# Altium PCB top_1.PcbDoc (part 3 of 5)
Units mil, origin at the board's own origin, x right, y up, seen from the top; angles counter-clockwise.
Board outline 12029.02 x 5828 mil, 2 copper layers (Top Layer, Bottom Layer); 775 components, 466 nets, 1984 pads, 387 vias.
Unrouted connection lines stored in the file: 279.
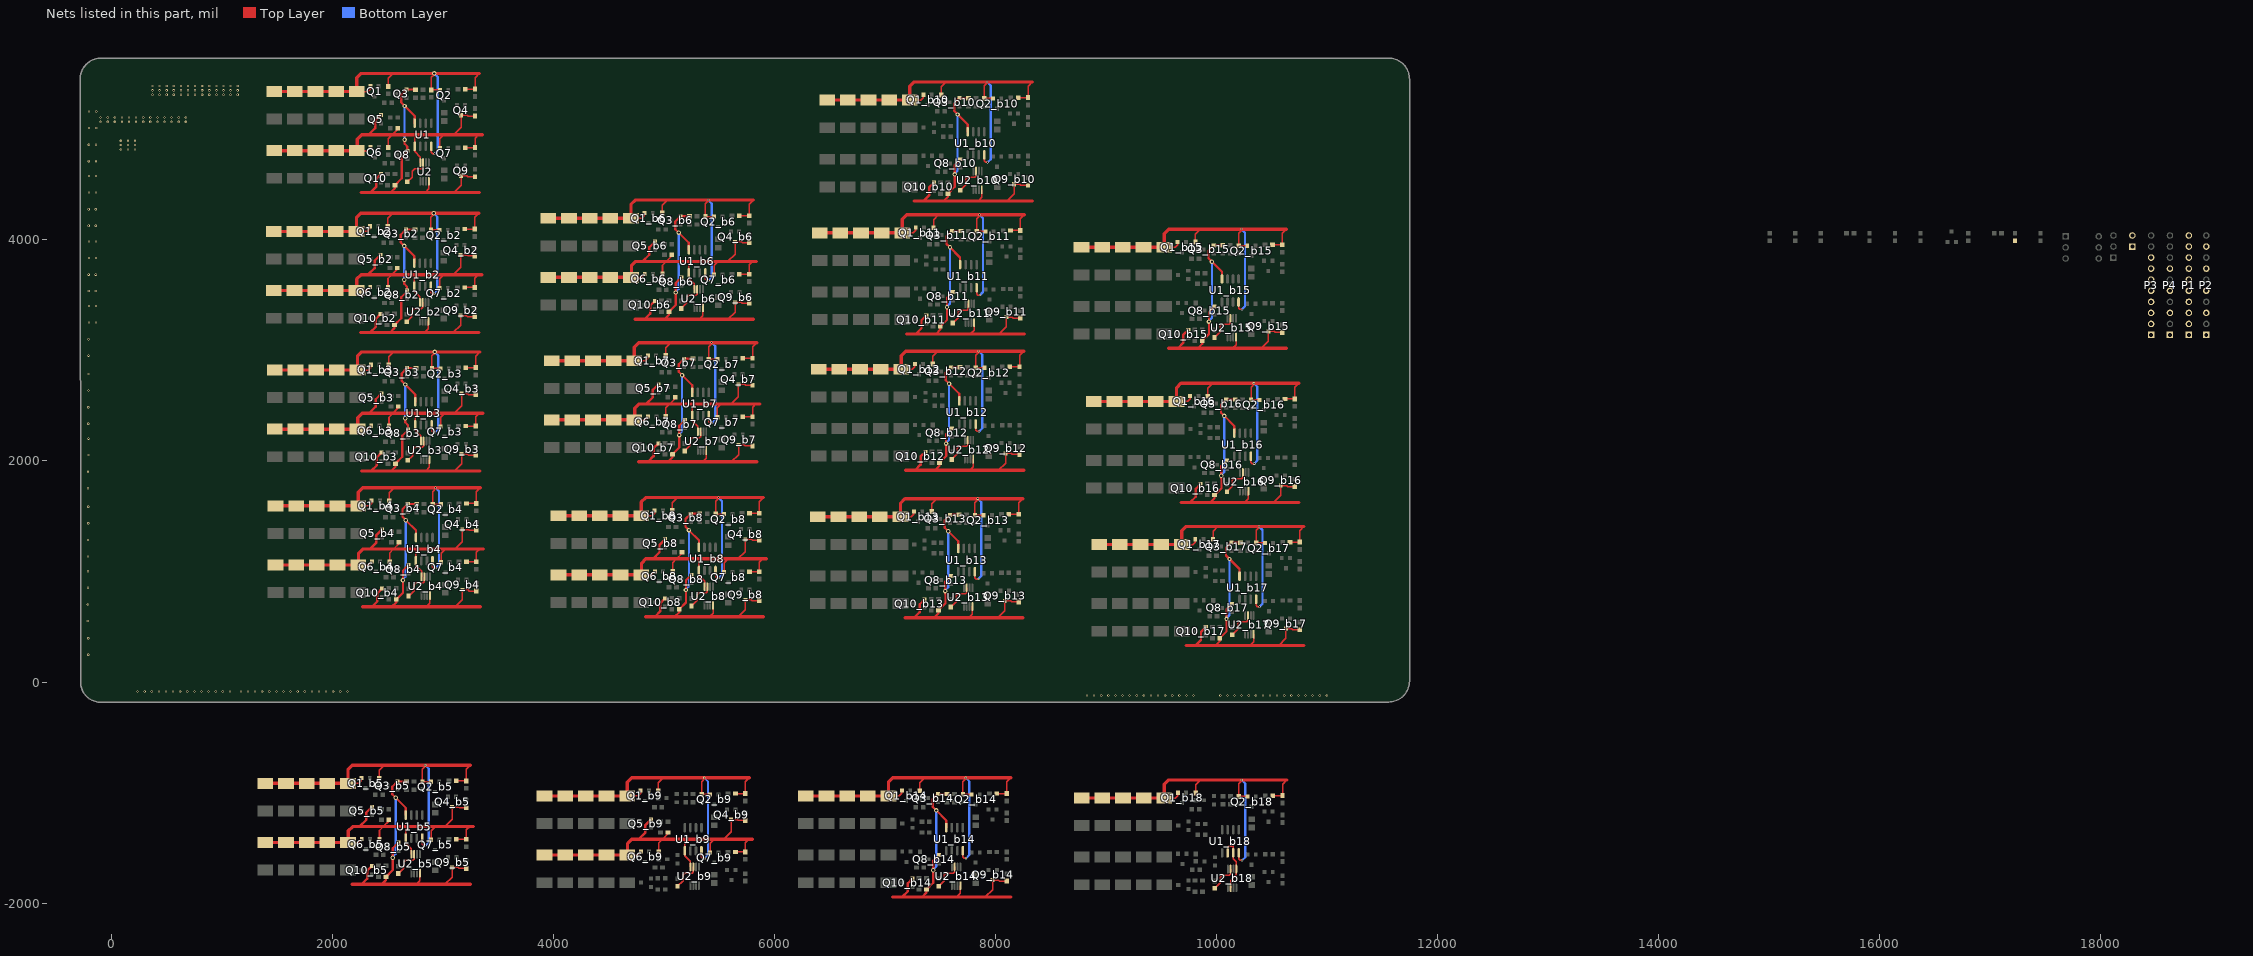
[diagram p3: the nets of this part, all layers, seen from the top]

## Via types
v1: diameter 20, hole 10, Top Layer to Bottom Layer, 346 vias
v2: diameter 40, hole 20, Top Layer to Bottom Layer, 39 vias
v3: diameter 125.98, hole 125.98, Top Layer to Bottom Layer, 2 vias

## Nets (pads, with @x,y where several pads share a name; then routed paths per layer and width w, separated by ;. In a path a pad name is that pad's centre, name@x,y a point inside that pad or via, vN(x,y) a via of type N, cw(c..) or ccw(c..) an arc to the next point about the centre after c; other vN are vias at no path point) (continued)
G1_VC2_BUF_b18: U1_b18.6 U1_b18.7 U2_b18.2 U2_b18.5 | length 512.1
  Top Layer w12: U1_b18.6@10103,-1545.49 10103,-1493 10111,-1485 10148,-1485 10153,-1490 U1_b18.7@10153,-1545.49 10153,-1601 10180.39,-1628.39 U2_b18.5@10180.39,-1692.35 10180.39,-1745.61 10129.2,-1796.8 U2_b18.2@10129.2,-1861.65
G1_VC2_DISCH: R22.2 U2.7 | length 271.5
  Top Layer w12: R22.2@2679,4526.54 2722,4569.54 2722,4621 2746,4645 2811,4645 2822.2,4656.2 U2.7@2822.2,4700.65
G1_VC2_DISCH_b2: R22_b2.2 U2_b2.7 | length 271.5
  Top Layer w12: R22_b2.2@2675,3260.54 2718,3303.54 2718,3355 2742,3379 2807,3379 2818.2,3390.2 U2_b2.7@2818.2,3434.65
G1_VC2_DISCH_b3: R22_b3.2 U2_b3.7 | length 271.5
  Top Layer w12: R22_b3.2@2684,2006.54 2727,2049.54 2727,2101 2751,2125 2816,2125 2827.2,2136.2 U2_b3.7@2827.2,2180.65
G1_VC2_DISCH_b4: R22_b4.2 U2_b4.7 | length 271.5
  Top Layer w12: R22_b4.2@2690,777.54 2740,827.54 2740,879 2757,896 2822,896 2833.2,907.2 U2_b4.7@2833.2,951.65
G1_VC2_DISCH_b5: R22_b5.2 U2_b5.7 | length 271.5
  Top Layer w12: R22_b5.2@2598,-1733.46 2648,-1683.46 2648,-1632 2665,-1615 2730,-1615 2741.2,-1603.8 U2_b5.7@2741.2,-1559.35
G1_VC2_DISCH_b6: R22_b6.2 U2_b6.7 | length 271.5
  Top Layer w12: R22_b6.2@5159,3380.54 5209,3430.54 5209,3482 5226,3499 5291,3499 5302.2,3510.2 U2_b6.7@5302.2,3554.65
G1_VC2_DISCH_b7: R22_b7.2 U2_b7.7 | length 271.5
  Top Layer w12: R22_b7.2@5190,2090.54 5240,2140.54 5240,2192 5257,2209 5322,2209 5333.2,2220.2 U2_b7.7@5333.2,2264.65
G1_VC2_DISCH_b8: R22_b8.2 U2_b8.7 | length 271.5
  Top Layer w12: R22_b8.2@5251,688.54 5301,738.54 5301,790 5318,807 5383,807 5394.2,818.2 U2_b8.7@5394.2,862.65
G1_VC2_DISCH_b9: R22_b9.2 U2_b9.7 | length 271.5
  Top Layer w12: R22_b9.2@5124,-1847.46 5174,-1797.46 5174,-1746 5191,-1729 5256,-1729 5267.2,-1717.8 U2_b9.7@5267.2,-1673.35
G1_VC2_DISCH_b10: R22_b10.2 U2_b10.7 | length 271.5
  Top Layer w12: R22_b10.2@7683,4449.54 7733,4499.54 7733,4551 7750,4568 7815,4568 7826.2,4579.2 U2_b10.7@7826.2,4623.65
G1_VC2_DISCH_b11: R22_b11.2 U2_b11.7 | length 271.5
  Top Layer w12: R22_b11.2@7614,3247.54 7664,3297.54 7664,3349 7681,3366 7746,3366 7757.2,3377.2 U2_b11.7@7757.2,3421.65
G1_VC2_DISCH_b12: R22_b12.2 U2_b12.7 | length 271.5
  Top Layer w12: R22_b12.2@7606,2013.54 7656,2063.54 7656,2115 7673,2132 7738,2132 7749.2,2143.2 U2_b12.7@7749.2,2187.65
G1_VC2_DISCH_b13: R22_b13.2 U2_b13.7 | length 271.5
  Top Layer w12: R22_b13.2@7598,678.54 7648,728.54 7648,780 7665,797 7730,797 7741.2,808.2 U2_b13.7@7741.2,852.65
G1_VC2_DISCH_b14: R22_b14.2 U2_b14.7 | length 271.5
  Top Layer w12: R22_b14.2@7489,-1847.46 7539,-1797.46 7539,-1746 7556,-1729 7621,-1729 7632.2,-1717.8 U2_b14.7@7632.2,-1673.35
G1_VC2_DISCH_b15: R22_b15.2 U2_b15.7 | length 271.5
  Top Layer w12: R22_b15.2@9984,3117.54 10034,3167.54 10034,3219 10051,3236 10116,3236 10127.2,3247.2 U2_b15.7@10127.2,3291.65
G1_VC2_DISCH_b16: R22_b16.2 U2_b16.7 | length 271.5
  Top Layer w12: R22_b16.2@10096,1722.54 10146,1772.54 10146,1824 10163,1841 10228,1841 10239.2,1852.2 U2_b16.7@10239.2,1896.65
G1_VC2_DISCH_b17: R22_b17.2 U2_b17.7 | length 271.5
  Top Layer w12: R22_b17.2@10143,427.54 10193,477.54 10193,529 10210,546 10275,546 10286.2,557.2 U2_b17.7@10286.2,601.65
G1_VC2_DISCH_b18: R22_b18.2 U2_b18.7 | length 271.5
  Top Layer w12: R22_b18.2@9986,-1866.46 10036,-1816.46 10036,-1765 10053,-1748 10118,-1748 10129.2,-1736.8 U2_b18.7@10129.2,-1692.35
GND: P6.1 P6.2
  other v1: 8830,-123 8894.25,-123 8958.5,-123 9022.75,-123 9087,-123 9151.25,-123 9215.5,-123 9279.75,-123 9344,-123 9408.25,-123 9472.5,-123 9536.75,-123 9601,-123 9665.25,-123 9729.5,-123 9793.75,-123 10036,-123 10100.25,-123 10164.5,-123 10228.75,-123 10293,-123 10357.25,-123 10421.5,-123 10485.75,-123 10550,-123 10614.25,-123 10678.5,-123 10742.75,-123 10807,-123 10871.25,-123 10935.5,-123 10999.75,-123 238.5,-85 302.75,-85 367,-85 431.25,-85 495.5,-85 559.75,-85 624,-85 688.25,-85 752.5,-85 816.75,-85 881,-85 945.25,-85 1009.5,-85 1073.75,-85 1173,-85 1237.25,-85 1301.5,-85 1365.75,-85 1430,-85 1494.25,-85 1558.5,-85 1622.75,-85 1687,-85 1751.25,-85 1815.5,-85 1879.75,-85 1944,-85 2008.25,-85 2072.5,-85 2136.75,-85 -208.25,247 -208,396 -212.25,553 -212,702 -209.25,853 -209,1002 -211.25,1137 -211,1286 -208.25,1437 -208,1586 -209.25,1753 -209,1902 -206.25,2053 -206,2202 -208.25,2337 -208,2486 -205.25,2637 -205,2786 -205.25,2953 -205,3102 -202.25,3253 -138,3253 -202,3402 -137.75,3402 -204.25,3537 -140,3537 -204,3686 -139.75,3686 -201.25,3837 -137,3837 -201,3986 -136.75,3986 -204.25,4129 -140,4129 -204,4278 -139.75,4278 -201.25,4429 -137,4429 -201,4578 -136.75,4578 -203.25,4713 -139,4713 87,4819 151.25,4819 215.5,4819 87,4859 151.25,4859 215.5,4859 -203,4862 -138.75,4862 87,4897 151.25,4897 215.5,4897 -200.25,5013 -136,5013 -96,5069 -31.75,5069 32.5,5069 96.75,5069 161,5069 225.25,5069 289.5,5069 353.75,5069 418,5069 482.25,5069 546.5,5069 610.75,5069 675,5069 -96,5107 -31.75,5107 32.5,5107 96.75,5107 161,5107 225.25,5107 289.5,5107 353.75,5107 418,5107 482.25,5107 546.5,5107 610.75,5107 675,5107 -200,5162 -135.75,5162 373,5314 437.25,5314 501.5,5314 565.75,5314 630,5314 694.25,5314 758.5,5314 822.75,5314 887,5314 951.25,5314 1015.5,5314 1079.75,5314 1144,5314 373,5354 437.25,5354 501.5,5354 565.75,5354 630,5354 694.25,5354 758.5,5354 822.75,5354 887,5354 951.25,5354 1015.5,5354 1079.75,5354 1144,5354 373,5392 437.25,5392 501.5,5392 565.75,5392 630,5392 694.25,5392 758.5,5392 822.75,5392 887,5392 951.25,5392 1015.5,5392 1079.75,5392 1144,5392
IN_A0: P1.1 Q1.2 Q2.2 R1.2 R2.2 R3.2 R4.2 R5.2 R6.2 R7.2 R8.2 R9.2 U1.8 | length 3603.3
  Top Layer w12: R5.2@2223,5343 2322.46,5343 2345.13,5365.67 Q1.2@2345.13,5390.72 ; R6.2@2506,5389.93 2506,5462.25 2550.75,5507 ; U1.8@2896,4847.51 2896,4792 2908,4780 v1(2926,4780) ; v2(2922,5507) 2922,5497 2897,5472 R9.2@2897,5357.46 2974.39,5357.46 Q2.2@2974.6,5357.26 ; R7.2@3203.46,5365 3291.54,5365 R8.2@3292,5365.46 3292,5470 3329,5507 3330,5507
  Top Layer w30: R1.2@1475,5343 R2.2@1662,5343 R3.2@1849,5343 R4.2@2036,5343 R5.2@2223,5343 2223,5467 2263,5507 2550.75,5507 v2(2922,5507) ; v2@2932,5507 3329,5507
  Bottom Layer w20: v2(2922,5507) 2954,5475 2954,4808 v1(2926,4780)
IN_A1: P1.3 Q1_b2.2 Q2_b2.2 Q3.2 Q8.2 Q9.3 Q10.2 R1_b2.2 R2_b2.2 R3_b2.2 R4_b2.2 R5_b2.2 R6_b2.2 R7_b2.2 R8_b2.2 R9_b2.2 R12.1 R24.1 R38.1 U1.4 U1_b2.8 U2.4 | length 6615.5
  Top Layer w12: R5_b2.2@2219,4077 2318.46,4077 2341.13,4099.67 Q1_b2.2@2341.13,4124.72 ; R6_b2.2@2502,4123.93 2502,4196.25 2546.75,4241 ; 2839,4428 2839.93,4428.93 2873.39,4462.39 U2.4@2873.39,4531.35 ; U1_b2.8@2892,3581.51 2892,3526 2904,3514 v1(2922,3514) ; v2(2918,4241) 2918,4231 2893,4206 R9_b2.2@2893,4091.46 2970.39,4091.46 Q2_b2.2@2970.6,4091.26 ; 3100,4428 3100.93,4428.93 3166,4494 Q9.3@3166,4581.74 3218.74,4581.74 3227.94,4572.54 R24.1@3292,4572.54 ; R7_b2.2@3199.46,4099 3287.54,4099 R8_b2.2@3288,4099.46 3288,4204 3325,4241 3326,4241 ; 3329,4428.93 3330,4428.93
  Top Layer w20: 2530,4431.54 2567.46,4469 R38.1@2567.46,4496.46 2629,4558 2629,4747.56 2679.26,4797.82 Q8.2@2679.26,4807.4 2679.26,4845.74 2654.87,4870.13 v2(2654.87,4907) ; 2550,4428 2550.93,4428.93 ; U1.4@2746,5056.49 2746,5121.27 v2(2654.87,5212.4) 2623.87,5243.4 2623.87,5312.54 Q3.2@2672.13,5360.8 R12.1@2753,5360.8
  Top Layer w22: 2345,4428 2345.93,4428.93 2397,4480 2397,4552.14 Q10.2@2440.26,4595.4
  Top Layer w30: R1_b2.2@1471,4077 R2_b2.2@1658,4077 R3_b2.2@1845,4077 R4_b2.2@2032,4077 R5_b2.2@2219,4077 2219,4201 2259,4241 2546.75,4241 v2(2918,4241) ; 2263,4428.93 2345.93,4428.93 2550.93,4428.93 2839.93,4428.93 3100.93,4428.93 3329,4428.93 ; v2@2928,4241 3325,4241
  Bottom Layer w20: v2(2654.87,4907) v2(2654.87,5212.4) ; v2(2918,4241) 2950,4209 2950,3542 v1(2922,3514)
IN_A2: P1.5 Q1_b3.2 Q2_b3.2 Q3_b2.2 Q8_b2.2 Q9_b2.3 Q10_b2.2 R1_b3.2 R2_b3.2 R3_b3.2 R4_b3.2 R5_b3.2 R6_b3.2 R7_b3.2 R8_b3.2 R9_b3.2 R12_b2.1 R24_b2.1 R38_b2.1 U1_b2.4 U1_b3.8 U2_b2.4 | length 6615.5
  Top Layer w12: R5_b3.2@2228,2823 2327.46,2823 2350.13,2845.67 Q1_b3.2@2350.13,2870.72 ; R6_b3.2@2511,2869.93 2511,2942.25 2555.75,2987 ; 2835,3162 2835.93,3162.93 2869.39,3196.39 U2_b2.4@2869.39,3265.35 ; U1_b3.8@2901,2327.51 2901,2272 2913,2260 v1(2931,2260) ; v2(2927,2987) 2927,2977 2902,2952 R9_b3.2@2902,2837.46 2979.39,2837.46 Q2_b3.2@2979.6,2837.26 ; 3096,3162 3096.93,3162.93 3162,3228 Q9_b2.3@3162,3315.74 3214.74,3315.74 3223.94,3306.54 R24_b2.1@3288,3306.54 ; R7_b3.2@3208.46,2845 3296.54,2845 R8_b3.2@3297,2845.46 3297,2950 3334,2987 3335,2987 ; 3325,3162.93 3326,3162.93
  Top Layer w20: 2526,3165.54 2563.46,3203 R38_b2.1@2563.46,3230.46 2625,3292 2625,3481.56 2675.26,3531.82 Q8_b2.2@2675.26,3541.4 2675.26,3579.74 2650.87,3604.13 v2(2650.87,3641) ; 2546,3162 2546.93,3162.93 ; U1_b2.4@2742,3790.49 2742,3855.27 v2(2650.87,3946.4) 2619.87,3977.4 2619.87,4046.54 Q3_b2.2@2668.13,4094.8 R12_b2.1@2749,4094.8
  Top Layer w22: 2341,3162 2341.93,3162.93 2393,3214 2393,3286.14 Q10_b2.2@2436.26,3329.4
  Top Layer w30: R1_b3.2@1480,2823 R2_b3.2@1667,2823 R3_b3.2@1854,2823 R4_b3.2@2041,2823 R5_b3.2@2228,2823 2228,2947 2268,2987 2555.75,2987 v2(2927,2987) ; 2259,3162.93 2341.93,3162.93 2546.93,3162.93 2835.93,3162.93 3096.93,3162.93 3325,3162.93 ; v2@2937,2987 3334,2987
  Bottom Layer w20: v2(2650.87,3641) v2(2650.87,3946.4) ; v2(2927,2987) 2959,2955 2959,2288 v1(2931,2260)
IN_A3: P1.7 Q1_b4.2 Q2_b4.2 Q3_b3.2 Q8_b3.2 Q9_b3.3 Q10_b3.2 R1_b4.2 R2_b4.2 R3_b4.2 R4_b4.2 R5_b4.2 R6_b4.2 R7_b4.2 R8_b4.2 R9_b4.2 R12_b3.1 R24_b3.1 R38_b3.1 U1_b3.4 U1_b4.8 U2_b3.4 | length 6629.6
  Top Layer w12: R5_b4.2@2234,1594 2333.46,1594 2356.13,1616.67 Q1_b4.2@2356.13,1641.72 ; R6_b4.2@2517,1640.93 2517,1713.25 2561.75,1758 ; 2844,1908 2844.93,1908.93 2878.39,1942.39 U2_b3.4@2878.39,2011.35 ; U1_b4.8@2907,1098.51 2907,1043 2919,1031 v1(2937,1031) ; 2943,1758 2908,1723 R9_b4.2@2908,1608.46 2985.39,1608.46 Q2_b4.2@2985.6,1608.26 ; 3105,1908 3105.93,1908.93 3171,1974 Q9_b3.3@3171,2061.74 3223.74,2061.74 3232.94,2052.54 R24_b3.1@3297,2052.54 ; R7_b4.2@3214.46,1616 3302.54,1616 R8_b4.2@3303,1616.46 3303,1721 3340,1758 3341,1758 ; 3334,1908.93 3335,1908.93
  Top Layer w20: 2535,1911.54 2572.46,1949 R38_b3.1@2572.46,1976.46 2634,2038 2634,2227.56 2684.26,2277.82 Q8_b3.2@2684.26,2287.4 2684.26,2325.74 2659.87,2350.13 v2(2659.87,2387) ; 2555,1908 2555.93,1908.93 ; U1_b3.4@2751,2536.49 2751,2601.27 v2(2659.87,2692.4) 2628.87,2723.4 2628.87,2792.54 Q3_b3.2@2677.13,2840.8 R12_b3.1@2758,2840.8
  Top Layer w22: 2350,1908 2350.93,1908.93 2402,1960 2402,2032.14 Q10_b3.2@2445.26,2075.4
  Top Layer w30: R1_b4.2@1486,1594 R2_b4.2@1673,1594 R3_b4.2@1860,1594 R4_b4.2@2047,1594 R5_b4.2@2234,1594 2234,1718 2274,1758 2561.75,1758 v1(2933,1758) 2943,1758 3340,1758 ; 2268,1908.93 2350.93,1908.93 2555.93,1908.93 2844.93,1908.93 3105.93,1908.93 3334,1908.93
  Bottom Layer w20: v2(2659.87,2387) v2(2659.87,2692.4) ; v1(2933,1758) 2965,1726 2965,1059 v1(2937,1031)
IN_A4: P1.9 Q1_b5.2 Q2_b5.2 Q3_b4.2 Q8_b4.2 Q9_b4.3 Q10_b4.2 R1_b5.2 R2_b5.2 R3_b5.2 R4_b5.2 R5_b5.2 R6_b5.2 R7_b5.2 R8_b5.2 R9_b5.2 R12_b4.1 R24_b4.1 R38_b4.1 U1_b4.4 U1_b5.8 U2_b4.4 | length 6768.4
  Top Layer w12: R5_b5.2@2142,-917 2241.46,-917 2264.13,-894.33 Q1_b5.2@2264.13,-869.28 ; R6_b5.2@2425,-870.07 2425,-797.75 2469.75,-753 ; U1_b5.8@2815,-1412.49 2815,-1468 2827,-1480 v1(2845,-1480) ; 2850,679 2850.93,679.93 2884.39,713.39 U2_b4.4@2884.39,782.35 ; 2851,-753 2816,-788 R9_b5.2@2816,-902.54 2893.39,-902.54 Q2_b5.2@2893.6,-902.74 ; 3111,679 3111.93,679.93 3177,745 Q9_b4.3@3177,832.74 3229.74,832.74 3238.94,823.54 R24_b4.1@3303,823.54 ; R7_b5.2@3122.46,-895 3210.54,-895 R8_b5.2@3211,-894.54 3211,-790 3248,-753 3249,-753 ; 3340,679.93 3341,679.93
  Top Layer w20: 2541,682.54 2578.46,720 R38_b4.1@2578.46,747.46 2640,809 2640,894.46 2639,895.46 v2(2639,921.46) 2639,1007.14 Q8_b4.2@2690.26,1058.4 ; 2561,679 2561.93,679.93 ; U1_b4.4@2757,1307.49 2757,1372.27 v2(2665.87,1463.4) 2634.87,1494.4 2634.87,1563.54 Q3_b4.2@2683.13,1611.8 R12_b4.1@2764,1611.8
  Top Layer w22: 2356,679 2356.93,679.93 2408,731 2408,803.14 Q10_b4.2@2451.26,846.4
  Top Layer w30: R1_b5.2@1394,-917 R2_b5.2@1581,-917 R3_b5.2@1768,-917 R4_b5.2@1955,-917 R5_b5.2@2142,-917 2142,-793 2182,-753 2469.75,-753 v1(2841,-753) 2851,-753 3248,-753 ; 2274,679.93 2356.93,679.93 2561.93,679.93 2850.93,679.93 3111.93,679.93 3340,679.93
  Bottom Layer w20: v2(2639,921.46) 2639,929 2665.87,955.87 v2(2665.87,1463.4) ; v1(2841,-753) 2873,-785 2873,-1452 v1(2845,-1480)
IN_A5: P3.1 Q1_b6.2 Q2_b6.2 Q3_b5.2 Q8_b5.2 Q9_b5.3 Q10_b5.2 R1_b6.2 R2_b6.2 R3_b6.2 R4_b6.2 R5_b6.2 R6_b6.2 R7_b6.2 R8_b6.2 R9_b6.2 R12_b5.1 R24_b5.1 R38_b5.1 U1_b5.4 U1_b6.8 U2_b5.4 | length 6768.4
  Top Layer w12: 2758,-1832 2758.93,-1831.07 2792.39,-1797.61 U2_b5.4@2792.39,-1728.65 ; 3019,-1832 3019.93,-1831.07 3085,-1766 Q9_b5.3@3085,-1678.26 3137.74,-1678.26 3146.94,-1687.46 R24_b5.1@3211,-1687.46 ; 3248,-1831.07 3249,-1831.07 ; R5_b6.2@4703,4197 4802.46,4197 4825.13,4219.67 Q1_b6.2@4825.13,4244.72 ; R6_b6.2@4986,4243.93 4986,4316.25 5030.75,4361 ; U1_b6.8@5376,3701.51 5376,3646 5388,3634 v1(5406,3634) ; 5412,4361 5377,4326 R9_b6.2@5377,4211.46 5454.39,4211.46 Q2_b6.2@5454.6,4211.26 ; R7_b6.2@5683.46,4219 5771.54,4219 R8_b6.2@5772,4219.46 5772,4324 5809,4361 5810,4361
  Top Layer w20: 2449,-1828.46 2486.46,-1791 R38_b5.1@2486.46,-1763.54 2548,-1702 2548,-1616.54 2547,-1615.54 v2(2547,-1589.54) 2547,-1503.86 Q8_b5.2@2598.26,-1452.6 ; 2469,-1832 2469.93,-1831.07 ; U1_b5.4@2665,-1203.51 2665,-1138.73 v2(2573.87,-1047.6) 2542.87,-1016.6 2542.87,-947.46 Q3_b5.2@2591.13,-899.2 R12_b5.1@2672,-899.2
  Top Layer w22: 2264,-1832 2264.93,-1831.07 2316,-1780 2316,-1707.86 Q10_b5.2@2359.26,-1664.6
  Top Layer w30: 2182,-1831.07 2264.93,-1831.07 2469.93,-1831.07 2758.93,-1831.07 3019.93,-1831.07 3248,-1831.07 ; R1_b6.2@3955,4197 R2_b6.2@4142,4197 R3_b6.2@4329,4197 R4_b6.2@4516,4197 R5_b6.2@4703,4197 4703,4321 4743,4361 5030.75,4361 v1(5402,4361) 5412,4361 5809,4361
  Bottom Layer w20: v2(2547,-1589.54) 2547,-1582 2573.87,-1555.13 v2(2573.87,-1047.6) ; v1(5402,4361) 5434,4329 5434,3662 v1(5406,3634)
IN_A6: P3.3 Q1_b7.2 Q2_b7.2 Q3_b6.2 Q8_b6.2 Q9_b6.3 Q10_b6.2 R1_b7.2 R2_b7.2 R3_b7.2 R4_b7.2 R5_b7.2 R6_b7.2 R7_b7.2 R8_b7.2 R9_b7.2 R12_b6.1 R24_b6.1 R38_b6.1 U1_b6.4 U1_b7.8 U2_b6.4 | length 6768.4
  Top Layer w12: R5_b7.2@4734,2907 4833.46,2907 4856.13,2929.67 Q1_b7.2@4856.13,2954.72 ; R6_b7.2@5017,2953.93 5017,3026.25 5061.75,3071 ; 5319,3282 5319.93,3282.93 5353.39,3316.39 U2_b6.4@5353.39,3385.35 ; U1_b7.8@5407,2411.51 5407,2356 5419,2344 v1(5437,2344) ; 5443,3071 5408,3036 R9_b7.2@5408,2921.46 5485.39,2921.46 Q2_b7.2@5485.6,2921.26 ; 5580,3282 5580.93,3282.93 5646,3348 Q9_b6.3@5646,3435.74 5698.74,3435.74 5707.94,3426.54 R24_b6.1@5772,3426.54 ; R7_b7.2@5714.46,2929 5802.54,2929 R8_b7.2@5803,2929.46 5803,3034 5840,3071 5841,3071 ; 5809,3282.93 5810,3282.93
  Top Layer w20: 5010,3285.54 5047.46,3323 R38_b6.1@5047.46,3350.46 5109,3412 5109,3497.46 5108,3498.46 v2(5108,3524.46) 5108,3610.14 Q8_b6.2@5159.26,3661.4 ; 5030,3282 5030.93,3282.93 ; U1_b6.4@5226,3910.49 5226,3975.27 v2(5134.87,4066.4) 5103.87,4097.4 5103.87,4166.54 Q3_b6.2@5152.13,4214.8 R12_b6.1@5233,4214.8
  Top Layer w22: 4825,3282 4825.93,3282.93 4877,3334 4877,3406.14 Q10_b6.2@4920.26,3449.4
  Top Layer w30: R1_b7.2@3986,2907 R2_b7.2@4173,2907 R3_b7.2@4360,2907 R4_b7.2@4547,2907 R5_b7.2@4734,2907 4734,3031 4774,3071 5061.75,3071 v1(5433,3071) 5443,3071 5840,3071 ; 4743,3282.93 4825.93,3282.93 5030.93,3282.93 5319.93,3282.93 5580.93,3282.93 5809,3282.93
  Bottom Layer w20: v2(5108,3524.46) 5108,3532 5134.87,3558.87 v2(5134.87,4066.4) ; v1(5433,3071) 5465,3039 5465,2372 v1(5437,2344)
IN_A7: P3.5 Q1_b8.2 Q2_b8.2 Q3_b7.2 Q8_b7.2 Q9_b7.3 Q10_b7.2 R1_b8.2 R2_b8.2 R3_b8.2 R4_b8.2 R5_b8.2 R6_b8.2 R7_b8.2 R8_b8.2 R9_b8.2 R12_b7.1 R24_b7.1 R38_b7.1 U1_b7.4 U1_b8.8 U2_b7.4 | length 6768.4
  Top Layer w12: R5_b8.2@4795,1505 4894.46,1505 4917.13,1527.67 Q1_b8.2@4917.13,1552.72 ; R6_b8.2@5078,1551.93 5078,1624.25 5122.75,1669 ; 5350,1992 5350.93,1992.93 5384.39,2026.39 U2_b7.4@5384.39,2095.35 ; U1_b8.8@5468,1009.51 5468,954 5480,942 v1(5498,942) ; 5504,1669 5469,1634 R9_b8.2@5469,1519.46 5546.39,1519.46 Q2_b8.2@5546.6,1519.26 ; 5611,1992 5611.93,1992.93 5677,2058 Q9_b7.3@5677,2145.74 5729.74,2145.74 5738.94,2136.54 R24_b7.1@5803,2136.54 ; R7_b8.2@5775.46,1527 5863.54,1527 R8_b8.2@5864,1527.46 5864,1632 5901,1669 5902,1669 ; 5840,1992.93 5841,1992.93
  Top Layer w20: 5041,1995.54 5078.46,2033 R38_b7.1@5078.46,2060.46 5140,2122 5140,2207.46 5139,2208.46 v2(5139,2234.46) 5139,2320.14 Q8_b7.2@5190.26,2371.4 ; 5061,1992 5061.93,1992.93 ; U1_b7.4@5257,2620.49 5257,2685.27 v2(5165.87,2776.4) 5134.87,2807.4 5134.87,2876.54 Q3_b7.2@5183.13,2924.8 R12_b7.1@5264,2924.8
  Top Layer w22: 4856,1992 4856.93,1992.93 4908,2044 4908,2116.14 Q10_b7.2@4951.26,2159.4
  Top Layer w30: R1_b8.2@4047,1505 R2_b8.2@4234,1505 R3_b8.2@4421,1505 R4_b8.2@4608,1505 R5_b8.2@4795,1505 4795,1629 4835,1669 5122.75,1669 v1(5494,1669) 5504,1669 5901,1669 ; 4774,1992.93 4856.93,1992.93 5061.93,1992.93 5350.93,1992.93 5611.93,1992.93 5840,1992.93
  Bottom Layer w20: v2(5139,2234.46) 5139,2242 5165.87,2268.87 v2(5165.87,2776.4) ; v1(5494,1669) 5526,1637 5526,970 v1(5498,942)
IN_A8: P3.7 Q1_b9.2 Q2_b9.2 Q3_b8.2 Q8_b8.2 Q9_b8.3 Q10_b8.2 R1_b9.2 R2_b9.2 R3_b9.2 R4_b9.2 R5_b9.2 R6_b9.2 R7_b9.2 R8_b9.2 R9_b9.2 R12_b8.1 R24_b8.1 R38_b8.1 U1_b8.4 U1_b9.8 U2_b8.4 | length 6768.4
  Top Layer w12: R5_b9.2@4668,-1031 4767.46,-1031 4790.13,-1008.33 Q1_b9.2@4790.13,-983.28 ; R6_b9.2@4951,-984.07 4951,-911.75 4995.75,-867 ; U1_b9.8@5341,-1526.49 5341,-1582 5353,-1594 v1(5371,-1594) ; 5377,-867 5342,-902 R9_b9.2@5342,-1016.54 5419.39,-1016.54 Q2_b9.2@5419.6,-1016.74 ; 5411,590 5411.93,590.93 5445.39,624.39 U2_b8.4@5445.39,693.35 ; R7_b9.2@5648.46,-1009 5736.54,-1009 R8_b9.2@5737,-1008.54 5737,-904 5774,-867 5775,-867 ; 5672,590 5672.93,590.93 5738,656 Q9_b8.3@5738,743.74 5790.74,743.74 5799.94,734.54 R24_b8.1@5864,734.54 ; 5901,590.93 5902,590.93
  Top Layer w20: 5102,593.54 5139.46,631 R38_b8.1@5139.46,658.46 5201,720 5201,805.46 5200,806.46 v2(5200,832.46) 5200,918.14 Q8_b8.2@5251.26,969.4 ; 5122,590 5122.93,590.93 ; U1_b8.4@5318,1218.49 5318,1283.27 v2(5226.87,1374.4) 5195.87,1405.4 5195.87,1474.54 Q3_b8.2@5244.13,1522.8 R12_b8.1@5325,1522.8
  Top Layer w22: 4917,590 4917.93,590.93 4969,642 4969,714.14 Q10_b8.2@5012.26,757.4